# Altium PCB VOU_SOM_CV_V0.0.1.PcbDoc (part 4 of 4)
Units mm, origin at the board's own origin, x right, y up, seen from the top; angles counter-clockwise.
Board outline 61 x 95 mm, 7 copper layers (Top Layer, PWR1, INT1, INT2, INT3, PWR2, Bottom Layer), stack 1.443 mm thick; 497 components, 649 nets, 3023 pads, 1241 vias.
Unrouted connection lines stored in the file: 1434.
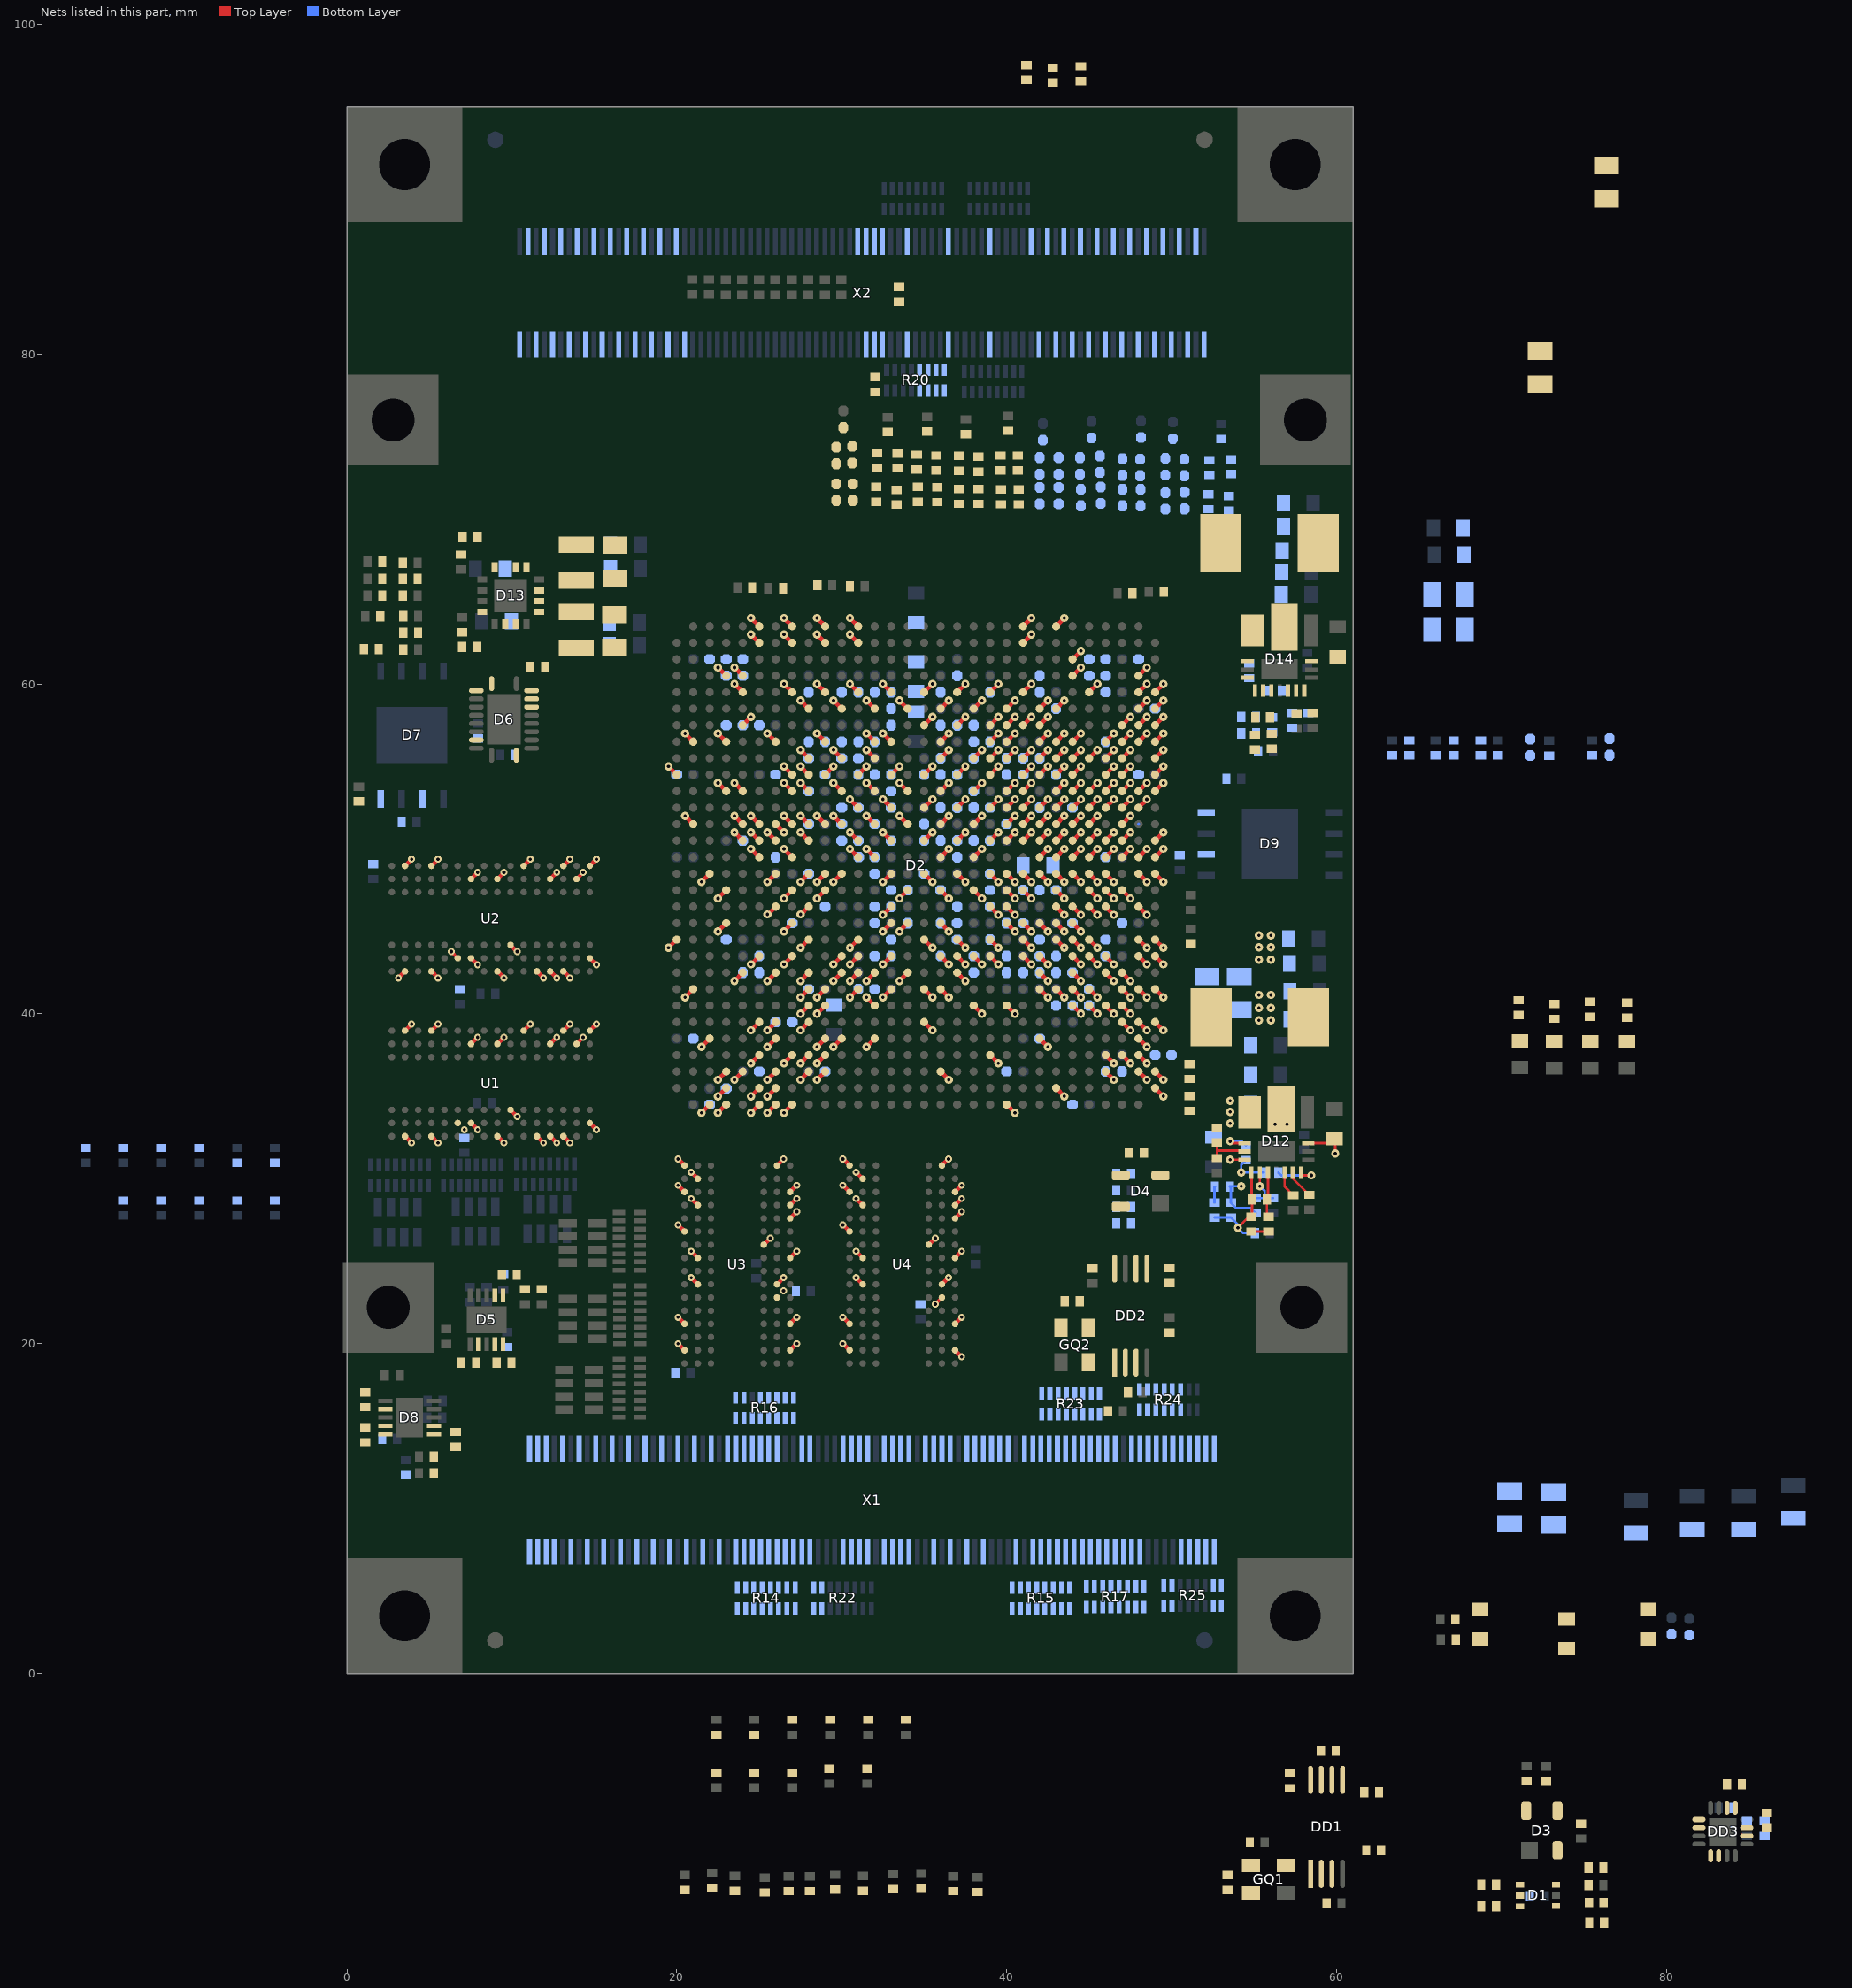
[diagram p7: the nets of this part, all layers, seen from the top]

## Via types
v1: diameter 0.5, hole 0.2, Top Layer to Bottom Layer, 875 vias
v2: diameter 0.42, hole 0.2, Top Layer to Bottom Layer, 366 vias

## Nets (pads, with @x,y where several pads share a name; then routed paths per layer and width w, separated by ;. In a path a pad name is that pad's centre, name@x,y a point inside that pad or via, vN(x,y) a via of type N, cw(c..) or ccw(c..) an arc to the next point about the centre after c; other vN are vias at no path point) (continued)
HPS_GPIO4: D2.G17 R25.15 | length 0.7
  Top Layer w0.25: D2.G17@43,47.5 v1(43.5,47)
HPS_GPIO4_R: R25.2 X1.159
HPS_GPIO5: D2.E18 R25.16 | length 0.7
  Top Layer w0.25: D2.E18@45,46.5 v1(45.5,46)
HPS_GPIO5_R: R25.1 X1.148
HPS_GPIO6: D2.E17 R24.9 | length 0.7
  Top Layer w0.25: D2.E17@45,47.5 v1(45.5,47)
HPS_GPIO6_R: R24.8 X1.150
HPS_GPIO7: D2.B26 R24.10 | length 0.7
  Top Layer w0.25: D2.B26@48,38.5 v1(48.5,38)
HPS_GPIO7_R: R24.7 X1.152
HPS_GPIO8: D2.E24 R24.11 | length 0.7
  Top Layer w0.25: D2.E24@45,40.5 v1(45.5,40)
HPS_GPIO8_R: R24.6 X1.154
HPS_GPIO9: D2.D24 R24.12 | length 0.7
  Top Layer w0.25: D2.D24@46,40.5 v1(46.5,40)
HPS_GPIO9_R: R24.5 X1.156
HPS_GPIO10: D2.F16 R24.13 | length 0.7
  Top Layer w0.25: D2.F16@44,48.5 v1(44.5,48)
HPS_GPIO10_R: R24.4 X1.158
HPS_GPIO11: D2.B15 R24.14 | length 0.7
  Top Layer w0.25: D2.B15@48,49.5 v1(48.5,50)
HPS_GPIO11_R: R24.3 X1.160
HPS_I2C0_CL: D2.E23 R16.16 | length 0.7
  Top Layer w0.25: D2.E23@45,41.5 v1(45.5,41)
HPS_I2C0_CL_R: R16.1 X1.69
HPS_I2C0_DA: D2.C24 R16.15 | length 0.7
  Top Layer w0.25: D2.C24@47,40.5 v1(47.5,40)
HPS_I2C0_DA_R: R16.2 X1.67
HPS_I2C1_CL: D2.H23 R22.16 | length 0.7
  Top Layer w0.25: D2.H23@42,41.5 v1(42.5,41)
HPS_I2C1_CL_R: R22.1 X1.70
HPS_I2C1_DA: D2.A25 R22.15 | length 0.7
  Top Layer w0.25: D2.A25@49,39.5 v1(49.5,39)
HPS_I2C1_DA_R: R22.2 X1.68
HPS_JTAG_TCK: D2.H22 X1.110 | length 0.7
  Top Layer w0.25: D2.H22@42,42.5 v1(42.5,42)
HPS_JTAG_TDI: D2.B27 R193.2 X1.114 | length 0.7
  Top Layer w0.25: D2.B27@48,37.5 v1(48.5,37)
HPS_JTAG_TDO: D2.B28 X1.112 | length 0.7
  Top Layer w0.25: D2.B28@48,36.5 v1(48.5,36)
HPS_JTAG_TMS: D2.A29 R192.2 X1.108 | length 0.7
  Top Layer w0.25: D2.A29@49,35.5 v1(49.5,35)
HPS_SD_CLK: D2.A16 R14.14 | length 0.7
  Top Layer w0.25: D2.A16@49,48.5 v1(49.5,48)
HPS_SD_CLK_R: R14.3 X1.61
HPS_SD_CMD: D2.F18 R14.13 | length 0.7
  Top Layer w0.25: D2.F18@44,46.5 v1(44.5,46)
HPS_SD_CMD_R: R14.4 X1.59
HPS_SD_D0: D2.G18 R14.9 | length 0.7
  Top Layer w0.25: D2.G18@43,46.5 v1(43.5,46)
HPS_SD_D0_R: R14.8 X1.51
HPS_SD_D1: D2.C17 R14.10 | length 0.7
  Top Layer w0.25: D2.C17@47,47.5 v1(47.5,47)
HPS_SD_D1_R: R14.7 X1.53
HPS_SD_D2: D2.D17 R14.11 | length 0.7
  Top Layer w0.25: D2.D17@46,47.5 v1(46.5,47)
HPS_SD_D2_R: R14.6 X1.55
HPS_SD_D3: D2.B16 R14.12 | length 0.7
  Top Layer w0.25: D2.B16@48,48.5 v1(48.5,48)
HPS_SD_D3_R: R14.5 X1.57
HPS_SPI_CS#_R: R16.6 X1.56
HPS_SPI_MISO: D2.B23 R16.12 | length 0.7
  Top Layer w0.25: D2.B23@48,41.5 v1(48.5,41)
HPS_SPI_MISO_R: R16.5 X1.58
HPS_SPI_MOSI: D2.C22 R16.13 | length 0.7
  Top Layer w0.25: D2.C22@47,42.5 v1(47.5,42)
HPS_SPI_MOSI_R: R16.4 X1.60
HPS_SPI_SCK: D2.A23 R16.14 | length 0.7
  Top Layer w0.25: D2.A23@49,41.5 v1(49.5,41)
HPS_SPI_SCK_R: R16.3 X1.62
HPS_UART0_RX: D2.B25 R14.16 | length 0.7
  Top Layer w0.25: D2.B25@48,39.5 v1(48.5,39)
HPS_UART0_RX_R: R14.1 X1.65
HPS_UART0_TX: D2.C25 R14.15 | length 0.7
  Top Layer w0.25: D2.C25@47,39.5 v1(47.5,39)
HPS_UART0_TX_R: R14.2 X1.63
HPS_UART1_RX: D2.C23 R16.10 | length 0.7
  Top Layer w0.25: D2.C23@47,41.5 v1(47.5,41)
HPS_UART1_RX_R: R16.7 X1.54
HPS_UART1_TX: D2.D22 R16.9 | length 0.7
  Top Layer w0.25: D2.D22@46,42.5 v1(46.5,42)
HPS_UART1_TX_R: R16.8 X1.52
HPS_USB_CKO: D2.N16 R23.15 | length 0.7
  Top Layer w0.25: D2.N16@37,48.5 v1(37.5,48)
HPS_USB_CKO_R: R23.2 X1.138
HPS_USB_D0: D2.E16 R17.15 | length 0.7
  Top Layer w0.25: D2.E16@45,48.5 v1(45.5,48)
HPS_USB_D0_R: R17.2 X1.122
HPS_USB_D1: D2.G16 R17.16 | length 0.7
  Top Layer w0.25: D2.G16@43,48.5 v1(43.5,48)
HPS_USB_D1_R: R17.1 X1.124
HPS_USB_D2: D2.D16 R23.9 | length 0.7
  Top Layer w0.25: D2.D16@46,48.5 v1(46.5,48)
HPS_USB_D2_R: R23.8 X1.126
HPS_USB_D3: D2.D14 R23.10 | length 0.7
  Top Layer w0.25: D2.D14@46,50.5 v1(46.5,51)
HPS_USB_D3_R: R23.7 X1.128
HPS_USB_D4: D2.A15 R23.11 | length 0.7
  Top Layer w0.25: D2.A15@49,49.5 v1(49.5,50)
HPS_USB_D4_R: R23.6 X1.130
HPS_USB_D5: D2.C14 R23.12 | length 0.7
  Top Layer w0.25: D2.C14@47,50.5 v1(47.5,51)
HPS_USB_D5_R: R23.5 X1.132
HPS_USB_D6: D2.D15 R23.13 | length 0.7
  Top Layer w0.25: D2.D15@46,49.5 v1(46.5,50)
HPS_USB_D6_R: R23.4 X1.134
HPS_USB_D7: D2.M17 R23.14 | length 0.7
  Top Layer w0.25: D2.M17@38,47.5 v1(38.5,47)
HPS_USB_D7_R: R23.3 X1.136
HPS_USB_DIR: D2.E14 R25.9 | length 0.7
  Top Layer w0.25: D2.E14@45,50.5 v1(45.5,51)
HPS_USB_DIR_R: R25.8 X1.142
HPS_USB_NXT: D2.A14 R25.10 | length 0.7
  Top Layer w0.25: D2.A14@49,50.5 v1(49.5,51)
HPS_USB_NXT_R: R25.7 X1.144
HPS_USB_STP: D2.C15 R23.16 | length 0.7
  Top Layer w0.25: D2.C15@47,49.5 v1(47.5,50)
HPS_USB_STP_R: R23.1 X1.140
HPS_WRST#: D2.C27 R151.2 | length 0.7
  Top Layer w0.25: D2.C27@47,37.5 v1(47.5,37)
INIT_DONE: D2.AD25 R118.2 | length 0.7
  Top Layer w0.25: v1(25.5,39) D2.AD25@26,39.5
LVDS0_CKI_N: D2.Y16 X2.132 | length 0.7
  Top Layer w0.25: v1(29.5,48) D2.Y16@30,48.5
LVDS0_CKI_P: D2.W15 X2.128 | length 0.7
  Top Layer w0.25: v1(30.5,50) D2.W15@31,49.5
LVDS0_CKO: D2.AE29 R43.1 | length 0.7
  Top Layer w0.25: v1(24.5,35) D2.AE29@25,35.5
LVDS0_CKO_N: DD3.10 X2.10
LVDS0_CKO_P: DD3.9 X2.6
LVDS0_RX0_N: D2.AG11 X2.164 | length 0.7
  Top Layer w0.25: v1(22.5,54) D2.AG11@23,53.5
LVDS0_RX0_P: D2.AF11 X2.160 | length 0.7
  Top Layer w0.25: v1(23.5,54) D2.AF11@24,53.5
LVDS0_RX1_N: D2.AB13 X2.140 | length 0.7
  Top Layer w0.25: v1(27.5,52) D2.AB13@28,51.5
LVDS0_RX1_P: D2.AA13 X2.136 | length 0.7
  Top Layer w0.25: v1(28.5,52) D2.AA13@29,51.5
LVDS0_RX2_N: D2.AF13 X2.156 | length 0.7
  Top Layer w0.25: v1(23.5,52) D2.AF13@24,51.5
LVDS0_RX2_P: D2.AE13 X2.152 | length 0.7
  Top Layer w0.25: v1(24.5,52) D2.AE13@25,51.5
LVDS0_RX3_N: D2.AE14 X2.148 | length 0.7
  Top Layer w0.25: v1(24.5,51) D2.AE14@25,50.5
LVDS0_RX3_P: D2.AD14 X2.144 | length 0.7
  Top Layer w0.25: v1(25.5,51) D2.AD14@26,50.5
LVDS0_TX0_N: D2.A8 X2.18 | length 0.7
  Top Layer w0.25: D2.A8@49,56.5 v1(49.5,57)
LVDS0_TX0_P: D2.A9 X2.14 | length 0.7
  Top Layer w0.25: D2.A9@49,55.5 v1(49.5,56)
LVDS0_TX1_N: D2.B8 X2.26 | length 0.7
  Top Layer w0.25: D2.B8@48,56.5 v1(48.5,57)
LVDS0_TX1_P: D2.C8 X2.22 | length 0.7
  Top Layer w0.25: D2.C8@47,56.5 v1(47.5,57)
LVDS0_TX2_N: D2.B7 X2.34 | length 0.7
  Top Layer w0.25: D2.B7@48,57.5 v1(48.5,58)
LVDS0_TX2_P: D2.C7 X2.30 | length 0.7
  Top Layer w0.25: D2.C7@47,57.5 v1(47.5,58)
LVDS0_TX3_N: D2.A5 X2.42 | length 0.7
  Top Layer w0.25: D2.A5@49,59.5 v1(49.5,60)
LVDS0_TX3_P: D2.A6 X2.38 | length 0.7
  Top Layer w0.25: D2.A6@49,58.5 v1(49.5,59)
LVDS1_CKI_N: D2.AB27 X1.39 | length 0.7
  Top Layer w0.25: v1(27.5,37) D2.AB27@28,37.5
LVDS1_CKI_P: D2.AA26 X1.35 | length 0.7
  Top Layer w0.25: v1(28.5,38) D2.AA26@29,38.5
LVDS1_CKO: D2.AD29 R44.1 | length 0.7
  Top Layer w0.25: v1(25.5,35) D2.AD29@26,35.5
LVDS1_CKO_N: DD3.14 X1.38
LVDS1_CKO_P: DD3.13 X1.34
LVDS1_RX0_N: D2.AC27 X1.47 | length 0.7
  Top Layer w0.25: v1(26.5,37) D2.AC27@27,37.5
LVDS1_RX0_P: D2.AD26 X1.43 | length 0.7
  Top Layer w0.25: v1(25.5,38) D2.AD26@26,38.5
LVDS1_RX1_N: D2.Y21 X1.11 | length 0.7
  Top Layer w0.25: v1(29.5,43) D2.Y21@30,43.5
LVDS1_RX1_P: D2.W20 X1.15 | length 0.7
  Top Layer w0.25: v1(30.5,44) D2.W20@31,44.5
LVDS1_RX2_N: D2.AB23 X1.19 | length 0.7
  Top Layer w0.25: v1(27.5,41) D2.AB23@28,41.5
LVDS1_RX2_P: D2.AB22 X1.23 | length 0.7
  Top Layer w0.25: v1(27.5,42) D2.AB22@28,42.5
LVDS1_RX3_N: D2.AB25 X1.27 | length 0.7
  Top Layer w0.25: v1(27.5,39) D2.AB25@28,39.5
LVDS1_RX3_P: D2.AA24 X1.31 | length 0.7
  Top Layer w0.25: v1(28.5,40) D2.AA24@29,40.5
LVDS1_TX0_N: D2.AA28 X1.46 | length 0.7
  Top Layer w0.25: v1(28.5,36) D2.AA28@29,36.5
LVDS1_TX0_P: D2.AB28 X1.42 | length 0.7
  Top Layer w0.25: v1(27.5,36) D2.AB28@28,36.5
LVDS1_TX1_N: D2.AC30 X1.30 | length 0.7
  Top Layer w0.25: v1(26.5,34) D2.AC30@27,34.5
LVDS1_TX1_P: D2.AD30 X1.26 | length 0.7
  Top Layer w0.25: v1(25.5,34) D2.AD30@26,34.5
LVDS1_TX2_N: D2.AF28 X1.22 | length 0.7
  Top Layer w0.25: v1(23.5,36) D2.AF28@24,36.5
LVDS1_TX2_P: D2.AG28 X1.18 | length 0.7
  Top Layer w0.25: v1(22.5,36) D2.AG28@23,36.5
LVDS1_TX3_N: D2.AG30 X1.14 | length 0.7
  Top Layer w0.25: v1(22.5,34) D2.AG30@23,34.5
LVDS1_TX3_P: D2.AH30 X1.10 | length 0.7
  Top Layer w0.25: v1(21.5,34) D2.AH30@22,34.5
MAIN_POK: R144.2 X1.118
MIPI_CSI-2_A_CK24_2V5: D2.A11 R31.2 | length 0.7
  Top Layer w0.25: D2.A11@49,53.5 v1(49.5,54)
MIPI_CSI-2_A_I2C_CL_2V5: D2.B11 R20.16 | length 0.7
  Top Layer w0.25: D2.B11@48,53.5 v1(48.5,54)
MIPI_CSI-2_A_I2C_CL_R_2V5: R20.1 X2.84
MIPI_CSI-2_A_I2C_DA_2V5: D2.C12 R20.15 | length 0.7
  Top Layer w0.25: D2.C12@47,52.5 v1(47.5,53)
MIPI_CSI-2_A_I2C_DA_R_2V5: R20.2 X2.80
MIPI_CSI-2_B_CK24_2V5: D2.A10 R27.1 | length 0.7
  Top Layer w0.25: D2.A10@49,54.5 v1(49.5,55)
MIPI_CSI-2_B_I2C_CL_2V5: D2.C9 R20.14 | length 0.7
  Top Layer w0.25: D2.C9@47,55.5 v1(47.5,56)
MIPI_CSI-2_B_I2C_CL_R_2V5: R20.3 X2.83
MIPI_CSI-2_B_I2C_DA_2V5: D2.C10 R20.13 | length 0.7
  Top Layer w0.25: D2.C10@47,54.5 v1(47.5,55)
MIPI_CSI-2_B_I2C_DA_R_2V5: R20.4 X2.79
MIPI_CSI_CKA_HS_N: D2.G15 R96.2 R97.2 X2.35 | length 0.7
  Top Layer w0.25: D2.G15@43,49.5 v1(43.5,50)
MIPI_CSI_CKA_HS_P: D2.H15 R94.2 R95.1 X2.39 | length 0.7
  Top Layer w0.25: D2.H15@42,49.5 v1(42.5,50)
MIPI_CSI_CKA_LP_N: D2.G13 R96.1 | length 0.7
  Top Layer w0.25: D2.G13@43,51.5 v1(43.5,52)
MIPI_CSI_CKA_LP_P: D2.H14 R94.1 | length 0.7
  Top Layer w0.25: D2.H14@42,50.5 v1(42.5,51)
MIPI_CSI_CKB_HS_N: D2.J14 R116.2 R117.2 X2.133 | length 0.7
  Top Layer w0.25: D2.J14@41,50.5 v1(41.5,51)
MIPI_CSI_CKB_HS_P: D2.K14 R114.2 R115.1 X2.129 | length 0.7
  Top Layer w0.25: D2.K14@40,50.5 v1(40.5,51)
MIPI_CSI_CKB_LP_N: D2.B5 R117.1 | length 0.7
  Top Layer w0.25: D2.B5@48,59.5 v1(48.5,60)
MIPI_CSI_CKB_LP_P: D2.B6 R114.1 | length 0.7
  Top Layer w0.25: D2.B6@48,58.5 v1(48.5,59)
MIPI_CSI_DA0_HS_N: D2.F14 R80.2 R81.2 X2.3 | length 0.7
  Top Layer w0.25: D2.F14@44,50.5 v1(44.5,51)
MIPI_CSI_DA0_HS_P: D2.F15 R78.2 R79.1 X2.7 | length 0.7
  Top Layer w0.25: D2.F15@44,49.5 v1(44.5,50)
MIPI_CSI_DA0_LP_N: D2.G11 R80.1 | length 0.7
  Top Layer w0.25: D2.G11@43,53.5 v1(43.5,54)
MIPI_CSI_DA0_LP_P: D2.G12 R78.1 | length 0.7
  Top Layer w0.25: D2.G12@43,52.5 v1(43.5,53)
MIPI_CSI_DA1_HS_N: D2.E13 R84.2 R85.2 X2.11 | length 0.7
  Top Layer w0.25: D2.E13@45,51.5 v1(45.5,52)
MIPI_CSI_DA1_HS_P: D2.F13 R82.2 R83.1 X2.15 | length 0.7
  Top Layer w0.25: D2.F13@44,51.5 v1(44.5,52)
MIPI_CSI_DA1_LP_N: D2.F10 R84.1 | length 0.7
  Top Layer w0.25: D2.F10@44,54.5 v1(44.5,55)
MIPI_CSI_DA1_LP_P: D2.G10 R82.1 | length 0.7
  Top Layer w0.25: D2.G10@43,54.5 v1(43.5,55)
MIPI_CSI_DA2_HS_N: D2.D12 R88.2 R89.2 X2.19 | length 0.7
  Top Layer w0.25: D2.D12@46,52.5 v1(46.5,53)
MIPI_CSI_DA2_HS_P: D2.E12 R86.2 R87.1 X2.23 | length 0.7
  Top Layer w0.25: D2.E12@45,52.5 v1(45.5,53)
MIPI_CSI_DA2_LP_N: D2.E11 R88.1 | length 0.7
  Top Layer w0.25: D2.E11@45,53.5 v1(45.5,54)
MIPI_CSI_DA2_LP_P: D2.F11 R86.1 | length 0.7
  Top Layer w0.25: D2.F11@44,53.5 v1(44.5,54)
MIPI_CSI_DA3_HS_N: D2.B12 R92.2 R93.2 X2.27 | length 0.7
  Top Layer w0.25: D2.B12@48,52.5 v1(48.5,53)
MIPI_CSI_DA3_HS_P: D2.C13 R90.2 R91.1 X2.31 | length 0.7
  Top Layer w0.25: D2.C13@47,51.5 v1(47.5,52)
MIPI_CSI_DA3_LP_N: D2.D10 R92.1 | length 0.7
  Top Layer w0.25: D2.D10@46,54.5 v1(46.5,55)
MIPI_CSI_DA3_LP_P: D2.D11 R90.1 | length 0.7
  Top Layer w0.25: D2.D11@46,53.5 v1(46.5,54)
MIPI_CSI_DB0_HS_N: D2.K8 R100.2 R101.2 X2.141 | length 0.7
  Top Layer w0.25: D2.K8@40,56.5 v1(40.5,57)
MIPI_CSI_DB0_HS_P: D2.K7 R98.2 R99.1 X2.137 | length 0.7
  Top Layer w0.25: D2.K7@40,57.5 v1(40.5,58)
MIPI_CSI_DB0_LP_N: D2.H7 R101.1 | length 0.7
  Top Layer w0.25: D2.H7@42,57.5 v1(42.5,58)
MIPI_CSI_DB0_LP_P: D2.J7 R98.1 | length 0.7
  Top Layer w0.25: D2.J7@41,57.5 v1(41.5,58)
MIPI_CSI_DB1_HS_N: D2.J9 R104.2 R105.2 X2.149 | length 0.7
  Top Layer w0.25: D2.J9@41,55.5 v1(41.5,56)
MIPI_CSI_DB1_HS_P: D2.J10 R102.2 R103.1 X2.145 | length 0.7
  Top Layer w0.25: D2.J10@41,54.5 v1(41.5,55)
MIPI_CSI_DB1_LP_N: D2.G8 R105.1 | length 0.7
  Top Layer w0.25: D2.G8@43,56.5 v1(43.5,57)
MIPI_CSI_DB1_LP_P: D2.H8 R102.1 | length 0.7
  Top Layer w0.25: D2.H8@42,56.5 v1(42.5,57)
MIPI_CSI_DB2_HS_N: D2.J12 R108.2 R109.2 X2.157 | length 0.7
  Top Layer w0.25: D2.J12@41,52.5 v1(41.5,53)
MIPI_CSI_DB2_HS_P: D2.K12 R106.2 R107.1 X2.153 | length 0.7
  Top Layer w0.25: D2.K12@40,52.5 v1(40.5,53)
MIPI_CSI_DB2_LP_N: D2.F8 R109.1 | length 0.7
  Top Layer w0.25: D2.F8@44,56.5 v1(44.5,57)
MIPI_CSI_DB2_LP_P: D2.F9 R106.1 | length 0.7
  Top Layer w0.25: D2.F9@44,55.5 v1(44.5,56)
MIPI_CSI_DB3_HS_N: D2.H12 R112.2 R113.2 X2.165 | length 0.7
  Top Layer w0.25: D2.H12@42,52.5 v1(42.5,53)
MIPI_CSI_DB3_HS_P: D2.H13 R110.2 R111.1 X2.161 | length 0.7
  Top Layer w0.25: D2.H13@42,51.5 v1(42.5,52)
MIPI_CSI_DB3_LP_N: D2.D9 R113.1 | length 0.7
  Top Layer w0.25: D2.D9@46,55.5 v1(46.5,56)
MIPI_CSI_DB3_LP_P: D2.E9 R110.1 | length 0.7
  Top Layer w0.25: D2.E9@45,55.5 v1(45.5,56)
MSEL0: D2.L8 R179.1 R195.2 | length 0.7
  Top Layer w0.25: D2.L8@39,56.5 v1(39.5,57)
MSEL1: D2.K6 R184.1 R196.2 | length 0.7
  Top Layer w0.25: D2.K6@40,58.5 v1(40.5,59)
MSEL2: D2.G6 R185.1 R197.2 | length 0.7
  Top Layer w0.25: D2.G6@43,58.5 v1(43.5,59)
MSEL3: D2.L7 R186.1 R198.2 | length 0.7
  Top Layer w0.25: D2.L7@39,57.5 v1(39.5,58)
MSEL4: D2.L9 R187.1 R199.2 | length 0.7
  Top Layer w0.25: D2.L9@39,55.5 v1(39.5,56)
N_FPGA_RST_O: D1.1 D2.AE27 R182.1 | length 0.7
  Top Layer w0.25: v1(24.5,37) D2.AE27@25,37.5
N_PERST0: D6.13 X1.107
N_PERST0_2V5: D2.W21 D6.8 | length 0.7
  Top Layer w0.25: v1(30.5,43) D2.W21@31,43.5
N_PERST1: D6.12 X1.119
N_PERST1_2V5: D2.W22 D6.9 | length 0.7
  Top Layer w0.25: v1(30.5,42) D2.W22@31,42.5
N_RST_O: R19.2 R34.2 X1.116
NetC20_1: C20.1 D5.1 R58.2 R59.2
NetC51_1: C51.1 D8.1 R75.2 R76.2
NetC53_2: C53.2 R79.2 R81.1
NetC54_2: C54.2 R83.2 R85.1
NetC55_2: C55.2 R87.2 R89.1 | length 0
NetC56_2: C56.2 R91.2 R93.1
NetC57_2: C57.2 R95.2 R97.1
NetC60_2: C60.2 R99.2 R100.1
NetC61_2: C61.2 R103.2 R104.1
NetC62_2: C62.2 R107.2 R108.1
NetC63_2: C63.2 R111.2 R112.1
NetC64_2: C64.2 R115.2 R116.1
NetC72_1: C72.1 C73.1 L8.2 R123.1 R126.2
NetC74_1: C74.1 R133.1 | length 1
  Bottom Layer w0.15: R133.1@52.6,28.55 52.6,29.5 C74.1@52.625,29.525
NetC74_2: C74.2 C77.1 C78.1 L9.2 R121.1 R125.1 R128.2 R130.2 | length 3.5
  Bottom Layer w0.15: v1(54.225,29.55) 53.55,29.55 C74.2@53.525,29.525 53.6,29.45 R130.2@53.6,28.55 53.925,28.225 54.8,28.225 R128.2@55.1,27.925
  other v1: 55.3,39.6 56.025,39.6 55.3,40.35 56.025,40.35 55.3,41.15 56.025,41.15
NetC81_2: C81.2 D12.10 D12.16 | length 3.5
  Top Layer w0.15: v1(53.55,31.15) 53.555,31.155 D12.16@54.425,31.155 ; D12.10@58.275,32.155 59.605,32.155 C81.2@59.875,32.425 59.925,32.375 v1(59.925,31.525)